# Altium PCB Waffling60-NMB.PcbDoc (part 1 of 3)
Units mm, origin at the board's own origin, x right, y up, seen from the top; angles counter-clockwise.
Board outline 284.7 x 94.21 mm, 2 copper layers (Component Side, Bottom Layer), stack 1.571 mm thick; 209 components, 132 nets, 867 pads, 230 vias.
Unrouted connection lines stored in the file: 4.
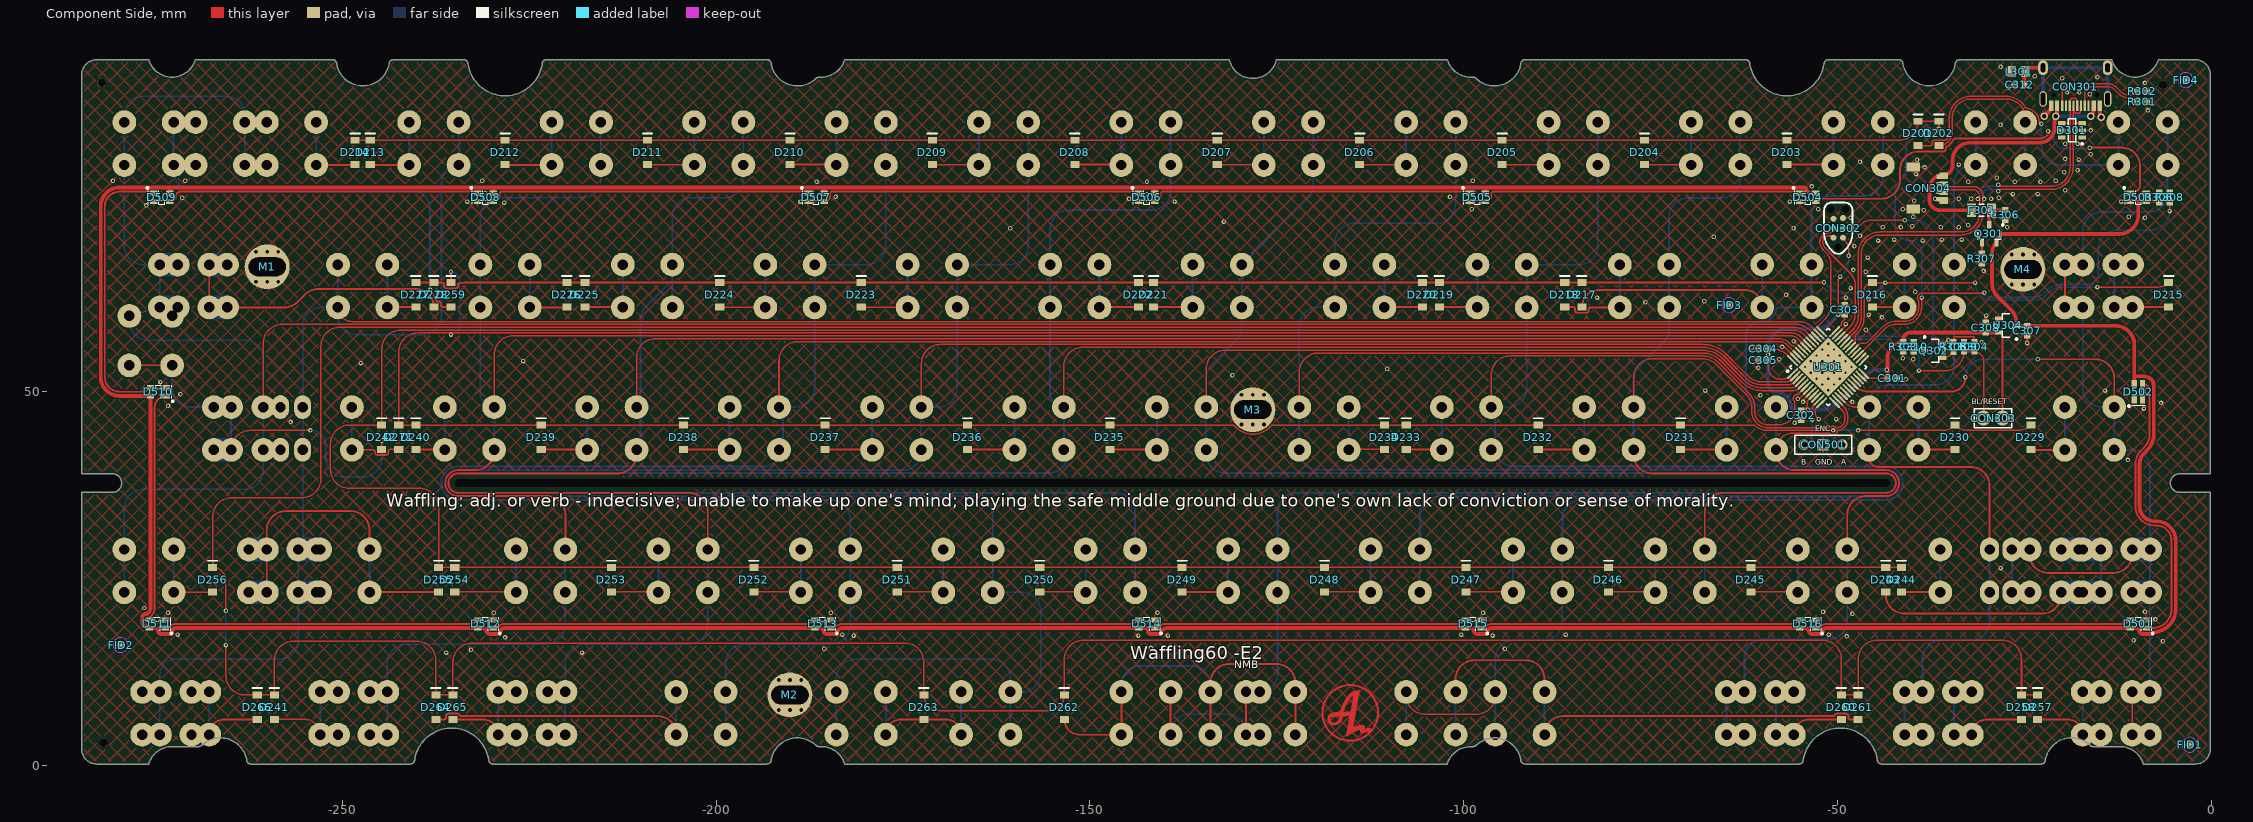
[diagram p0: Component Side view]
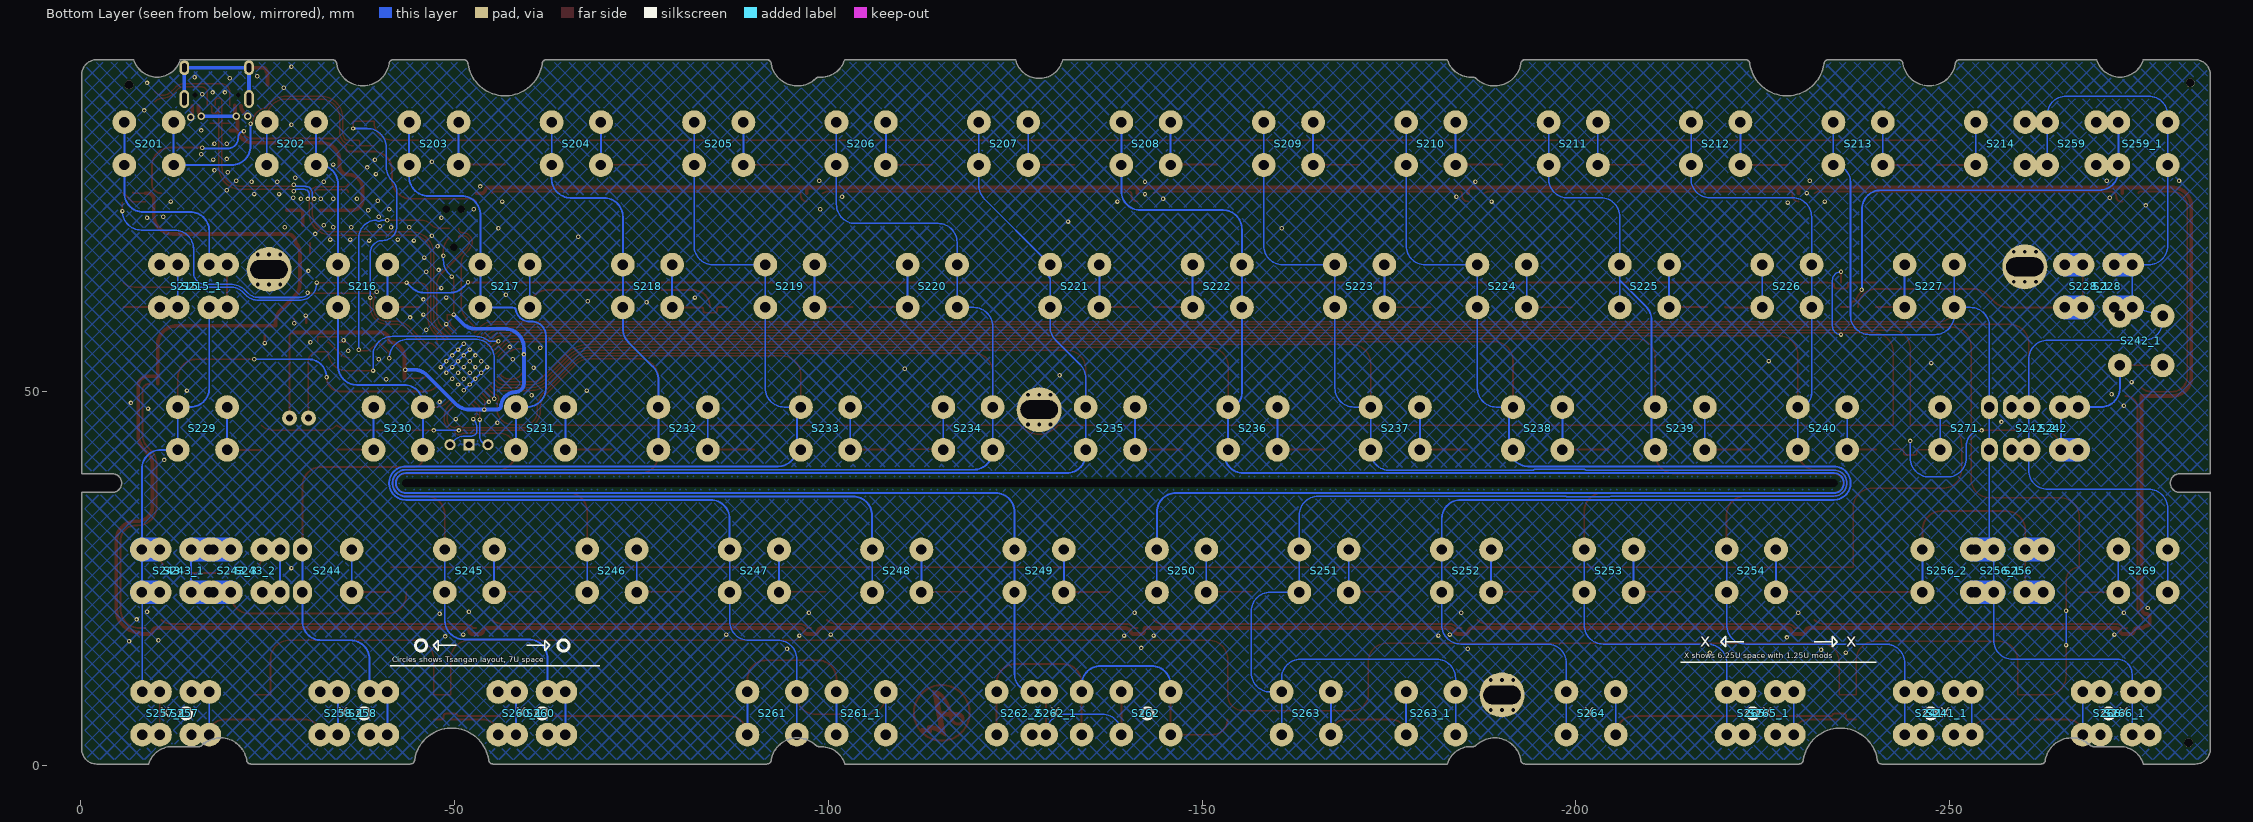
[diagram p1: Bottom Layer view, seen from below]

## Layer stack, top to bottom
Top Solder: solder mask 0.0102, Solder Resist, Dk 3.5
Component Side: signal copper 0.0356
Dielectric 1: core 1.5, FR-4, Dk 4.2
Bottom Layer: signal copper 0.0356
Solder Side: solder mask 0.0102, Solder Resist, Dk 3.5

## Board outline
-282.85,0.215 -275.891,0.215 cw(c-272.776,-0.709) -272.775,2.54 -269.318,2.54 ccw(c-269.319,3.455) -268.672,2.808 cw(c-266.3,0.158) -262.799,0.786 ccw(c-262.229,0.785) -262.228,0.215 -240.884,0.215 ccw(c-240.885,0.772) -240.328,0.771 cw(c-235.369,0.001) -230.41,0.771 ccw(c-229.853,0.772) -229.854,0.215 -193.196,0.215 ccw(c-193.195,0.785) -192.625,0.786 cw(c-189.125,0.16) -186.682,2.743 ccw(c-186.19,3.237) -186.193,2.54 -185.925,2.54 cw(c-185.924,-0.709) -182.809,0.215 -102.203,0.215 -102.203,0.204 cw(c-99.088,-0.72) -99.087,2.529 -98.833,2.529 ccw(c-98.832,3.253) -98.32,2.741 cw(c-95.875,0.159) -92.375,0.786 ccw(c-91.805,0.785) -91.804,0.215 -55.146,0.215 ccw(c-55.147,0.772) -54.59,0.771 cw(c-49.631,0.001) -44.672,0.771 ccw(c-44.115,0.772) -44.116,0.215 -22.772,0.215 ccw(c-22.771,0.785) -22.201,0.786 cw(c-18.701,0.16) -16.234,2.72 ccw(c-15.799,3.155) -15.8,2.54 -12.225,2.54 cw(c-12.224,-0.709) -9.109,0.215 -2.15,0.215 ccw(c-2.151,2.216) -0.15,2.215 -0.15,36.54 -4.241,36.54 cw(c-4.241,37.79) -4.241,39.04 -0.15,39.04 -0.15,92.415 ccw(c-2.151,92.414) -2.15,94.415 -7.109,94.415 cw(c-10.225,95.341) -13.341,94.415 -33.68,94.415 ccw(c-33.681,93.845) -34.251,93.844 cw(c-37.751,94.471) -41.251,93.844 ccw(c-41.821,93.845) -41.822,94.415 -51.245,94.415 ccw(c-51.246,93.845) -51.816,93.844 cw(c-56.775,94.614) -61.734,93.844 ccw(c-62.304,93.845) -62.305,94.415 -91.804,94.415 ccw(c-91.805,93.845) -92.375,93.844 cw(c-95.875,94.471) -98.285,91.856 ccw(c-98.85,91.29) -98.849,92.09 -99.075,92.09 cw(c-99.076,95.339) -102.191,94.415 -125.061,94.415 cw(c-128.211,95.149) -131.361,94.414 -131.361,94.415 -182.809,94.415 cw(c-185.924,95.339) -185.925,92.09 -186.179,92.09 ccw(c-186.18,91.366) -186.692,91.878 cw(c-189.125,94.471) -192.625,93.844 ccw(c-193.195,93.845) -193.196,94.415 -222.695,94.415 ccw(c-222.696,93.845) -223.266,93.844 cw(c-228.225,94.614) -233.184,93.844 ccw(c-233.754,93.845) -233.755,94.415 -243.178,94.415 ccw(c-243.179,93.845) -243.749,93.844 cw(c-247.249,94.471) -250.749,93.844 ccw(c-251.319,93.845) -251.32,94.415 -269.659,94.415 cw(c-272.775,95.341) -275.891,94.415 -282.85,94.415 ccw(c-282.849,92.414) -284.85,92.415 -284.85,39.04 -280.759,39.04 cw(c-280.759,37.79) -280.759,36.54 -284.85,36.54 -284.85,2.215 ccw(c-282.849,2.216)

## Design rules (kind name [scope] priority, off if disabled: settings)
BoardOutlineClearance [All] p1: gap=0.254 ignorepadtopadclearanceinfootprint=FALSE except(0: Arc-SplitContinuation Track-SplitContinuation SMDPad-SplitContinuation THPad-SplitContinuation Via-SplitContinuation Fill-SplitContinuation Poly-SplitContinuation Region-SplitContinuation Text-SplitContinuation)
Clearance [All] p1: gap=0.254 ignorepadtopadclearanceinfootprint=FALSE except(0: Arc-Hole Track-Hole SMDPad-Hole THPad-Hole Via-Hole Fill-Hole Poly-Hole Region-Hole Text-Hole; 0.18: Arc-Arc Arc-Track Arc-SMDPad Arc-THPad Arc-Via Arc-Fill Arc-Poly Arc-Region Arc-Text Track-Track Track-SMDPad Track-THPad Track-Via Track-Fill Track-Poly Track-Region Track-Text; 0.2: SMDPad-SMDPad SMDPad-THPad SMDPad-Via SMDPad-Fill SMDPad-Poly SMDPad-Region SMDPad-Text)
ComponentClearance [InComponent('No Component') And OnLayer('Component Side')] p1: gap=0.254 collisioncheckmode=3 verticalgap=0.254 showdistances=FALSE
DiffPairsRouting DiffPairsRouting_USB [InDifferentialPairClass('All Differential Pairs')] p1: maxlimit=0.254 minlimit=0.203 mostfreqgap=0.203 toplayer_minwidth=0.152 toplayer_maxwidth=0.381 toplayer_prefwidth=0.152 bottomlayer_minwidth=0.152 bottomlayer_maxwidth=0.381 bottomlayer_prefwidth=0.152 maxuncoupledlength=12.7
DiffPairsRouting [All] p2: maxlimit=0.254 minlimit=0.254 mostfreqgap=0.254 toplayer_minwidth=0.381 toplayer_maxwidth=0.381 toplayer_prefwidth=0.381 bottomlayer_minwidth=0.381 bottomlayer_maxwidth=0.381 bottomlayer_prefwidth=0.381 maxuncoupledlength=12.7
HoleSize [All] p1: absolutevalues=TRUE maxlimit=20 minlimit=0.025 maxpercent=80.000 minpercent=20.000
MatchedLengths MatchedLengths_USB_DiffPairs_1 [All] p1: tolerance=0.127 checknetsindiffpair=TRUE checkdiffpairvsdiffpair=FALSE checkxsignals=FALSE checkothers=FALSE
MatchedLengths MatchedLengths_USB_DiffPairs [All] p2: tolerance=0.127 checknetsindiffpair=TRUE checkdiffpairvsdiffpair=FALSE checkxsignals=FALSE checkothers=FALSE
PolygonConnect PolygonConnect_1 [All vs IsVia] p1: connectstyle=Direct reliefconductorwidth=0.254 reliefentries=4 polygonreliefangle="90 Angle" airgapwidth=0.254
PolygonConnect [All] p2: connectstyle=Relief reliefconductorwidth=0.254 reliefentries=4 polygonreliefangle="90 Angle" airgapwidth=0.254
RoutingVias [All] p1: holewidth=0.711 width=1.27 viastyle="Through Hole" minholewidth=0.711 minwidth=1.27 maxholewidth=0.711 maxwidth=1.27
SolderMaskExpansion [All] p1: expansion=0.102 istentingtop=FALSE
Width [All] p1: maxlimit=3.18 minlimit=0.2 preferedwidth=0.254 minimp=50.000000 maximp=50.000000 favimp=50.000000
27 further rules are at their usual default settings.

## Classes and differential pairs
component class U_4_waffling60-MX_periferals: CON501 D501 D502 D503 D504 D505 D506 D507 D508 D509 D510 D511 D512 D513 D514 D515 D516
component class Designator: C301 C302 C303 C304 C305 C306 C307 C308 C309 C310 C312 CON301 CON302 CON303 CON304 D301 F301 L301 M1 M2 M3 M4 Q301 Q302 R301 R302 R303 R304 R305 R306 R307 R308 U301 U304
component class 1_waffling60-NMB_top: FID1 FID2 FID3 FID4
differential pair D: +D_P -D_N

## Components (designator, comment, footprint, x,y, rotation, side; value= is the part's Value field where it differs from the comment)
C301 "" C0603[1608] -42.672,51.816 r180 top value=0.1uF
C302 "" C0603[1608] -54.864,46.863 r90 top value=0.1uF
C303 "" C0603[1608] -49.022,60.96 r270 top value=0.1uF
C304 "" C0603[1608] -59.944,55.753 r0 top value=0.1uF
C305 "" C0603[1608] -59.944,54.229 r0 top value=0.1uF
C306 "" C0603[1608] -27.559,73.66 r90 top value=4.7uF
C307 "" C0603[1608] -24.638,58.166 r90 top value=1uF
C308 "" C0603[1608] -30.169,58.589 r270 top value=1uF
C309 "" C0603[1608] -33.09,56.007 r90 top value=4.7uF
C310 "" C0603[1608] -39.821,56.007 r270 top value=470nF
C312 "" C0603[1608] -25.654,91.059 r0 top value=0.1uF
CON301 "TYPE-C-31-M-12" TYPE-C-31-M-12 -18.2,88.25 r180 top locked
CON302 "TC2030-IDC" TC2030-IDC-NL -49.911,71.882 r90 top
CON303 "Header 2" HDR1X2 -30.48,46.482 r0 top
CON304 "Header 5" UDB_combo_JST_MOLEX -38,77.25 r270 top
CON501 "Header 3" HDR1X3 -54.483,42.926 r0 top
D201 "Diode" SOD-123 -39.243,84.558 r270 top
D202 "Diode" SOD-123 -36.449,84.558 r270 top
D203 "Diode" SOD-123 -56.769,82.018 r270 top
D204 "Diode" SOD-123 -75.819,82.018 r270 top
D205 "Diode" SOD-123 -94.869,82.018 r270 top
D206 "Diode" SOD-123 -113.919,82.018 r270 top
D207 "Diode" SOD-123 -132.969,82.018 r270 top
D208 "Diode" SOD-123 -152.019,82.018 r270 top
D209 "Diode" SOD-123 -171.069,82.018 r270 top
D210 "Diode" SOD-123 -190.119,82.018 r270 top
D211 "Diode" SOD-123 -209.169,82.018 r270 top
D212 "Diode" SOD-123 -228.219,82.018 r270 top
D213 "Diode" SOD-123 -246.253,82.018 r270 top
D214 "Diode" SOD-123 -248.285,82.018 r270 top
D215 "Diode" SOD-123 -5.715,62.968 r270 top
D216 "Diode" SOD-123 -45.339,62.968 r270 top
D217 "Diode" SOD-123 -84.201,62.968 r270 top
D218 "Diode" SOD-123 -86.487,62.968 r270 top
D219 "Diode" SOD-123 -103.251,62.968 r270 top
D220 "Diode" SOD-123 -105.537,62.968 r270 top
D221 "Diode" SOD-123 -141.478,62.968 r270 top
D222 "Diode" SOD-123 -143.51,62.968 r270 top
D223 "Diode" SOD-123 -180.594,62.968 r270 top
D224 "Diode" SOD-123 -199.517,62.968 r270 top
D225 "Diode" SOD-123 -217.551,62.968 r270 top
D226 "Diode" SOD-123 -219.964,62.968 r270 top
D227 "Diode" SOD-123 -240.157,62.968 r270 top
D228 "Diode" SOD-123 -237.744,62.968 r270 top
D229 "Diode" SOD-123 -24.13,43.918 r270 top
D230 "Diode" SOD-123 -34.29,43.918 r270 top
D231 "Diode" SOD-123 -70.993,43.918 r270 top
D232 "Diode" SOD-123 -90.043,43.918 r270 top
D233 "Diode" SOD-123 -107.696,43.918 r270 top
D234 "Diode" SOD-123 -110.617,43.918 r270 top
D235 "Diode" SOD-123 -147.32,43.918 r270 top
D236 "Diode" SOD-123 -166.37,43.918 r270 top
D237 "Diode" SOD-123 -185.42,43.918 r270 top
D238 "Diode" SOD-123 -204.343,43.918 r270 top
D239 "Diode" SOD-123 -223.393,43.918 r270 top
D240 "Diode" SOD-123 -240.157,43.918 r270 top
D241 "Diode" SOD-123 -259.08,7.818 r270 top
D242 "Diode" SOD-123 -244.729,43.918 r270 top
D243 "Diode" SOD-123 -43.561,24.868 r270 top
D244 "Diode" SOD-123 -41.468,24.868 r270 top
D245 "Diode" SOD-123 -61.595,24.868 r270 top
D246 "Diode" SOD-123 -80.645,24.868 r270 top
D247 "Diode" SOD-123 -99.695,24.868 r270 top
D248 "Diode" SOD-123 -118.618,24.868 r270 top
D249 "Diode" SOD-123 -137.668,24.868 r270 top
D250 "Diode" SOD-123 -156.718,24.868 r270 top
D251 "Diode" SOD-123 -175.768,24.868 r270 top
D252 "Diode" SOD-123 -194.945,24.868 r270 top
D253 "Diode" SOD-123 -213.995,24.868 r270 top
D254 "Diode" SOD-123 -234.95,24.868 r270 top
D255 "Diode" SOD-123 -237.109,24.868 r270 top
D256 "Diode" SOD-123 -267.335,24.868 r270 top
D257 "Diode" SOD-123 -23.241,7.818 r270 top
D258 "Diode" SOD-123 -25.4,7.818 r270 top
D259 "Diode" SOD-123 -235.458,62.968 r270 top
D260 "Diode" SOD-123 -49.482,7.818 r270 top
D261 "Diode" SOD-123 -47.244,7.818 r270 top
D262 "Diode" SOD-123 -153.416,7.818 r270 top
D263 "Diode" SOD-123 -172.212,7.818 r270 top
D264 "Diode" SOD-123 -237.49,7.818 r270 top
D265 "Diode" SOD-123 -235.204,7.818 r270 top
D266 "Diode" SOD-123 -261.366,7.818 r270 top
D271 "Diode" SOD-123 -242.443,43.918 r270 top
D301 "SRV05" SOT-23-6 -18.669,84.963 r0 top
D501 "WS2812B - MINI" "WS2812B - 2020" -9.758,18.944 r180 top
D502 "WS2812B - MINI" "WS2812B - 2020" -9.758,50 r90 top
D503 "WS2812B - MINI" "WS2812B - 2020" -9.758,76 r0 top
D504 "WS2812B - MINI" "WS2812B - 2020" -53.975,76 r0 top
D505 "WS2812B - MINI" "WS2812B - 2020" -98.191,76 r0 top
D506 "WS2812B - MINI" "WS2812B - 2020" -142.408,76 r0 top
D507 "WS2812B - MINI" "WS2812B - 2020" -186.625,76 r0 top
D508 "WS2812B - MINI" "WS2812B - 2020" -230.841,76 r0 top
D509 "WS2812B - MINI" "WS2812B - 2020" -274.158,76 r0 top
D510 "WS2812B - MINI" "WS2812B - 2020" -274.586,50 r180 top
D511 "WS2812B - MINI" "WS2812B - 2020" -274.758,18.944 r180 top
D512 "WS2812B - MINI" "WS2812B - 2020" -230.841,18.944 r180 top
D513 "WS2812B - MINI" "WS2812B - 2020" -185.758,18.944 r180 top
D514 "WS2812B - MINI" "WS2812B - 2020" -142.408,18.944 r180 top
D515 "WS2812B - MINI" "WS2812B - 2020" -98.758,18.944 r180 top
D516 "WS2812B - MINI" "WS2812B - 2020" -53.975,18.944 r180 top
F301 "Fuse Thermal" C1206[3216] -30.734,74.295 r180 top
FID1 "Plug" Fiducial_Nordic -2.921,2.794 r90 top
FID2 "Plug" Fiducial_Nordic -279.654,16.129 r90 top
FID3 "Plug" Fiducial_Nordic -64.516,61.595 r90 top
FID4 "Plug" Fiducial_Nordic -3.429,91.694 r90 top
L301 "Inductor" L0805 -25.781,92.837 r0 top
M1 "Socket" mounting_hole -260.05,66.715 r0 top
M2 "Socket" mounting_hole -190.119,9.45 r0 top
M3 "Socket" mounting_hole -128.212,47.614 r0 top
M4 "Socket" mounting_hole -25.2,66.365 r0 top
Q301 "PMOS-2" SOT-23-3 -29.718,71.12 r270 top
Q302 "2N7002 NMOS" SOT-23-3 -37.154,55.499 r0 top
R301 "Res1" R0603[1608] -9.271,88.773 r0 top value=5k1
R302 "Res1" R0603[1608] -9.271,90.17 r0 top value=5k1
R303 "Res1" R0603[1608] -41.218,56.007 r270 top value=10K
R304 "Res1" R0603[1608] -31.693,56.007 r90 top value=10K
R305 "Res1" R0603[1608] -34.487,55.992 r90 top value=100K
R306 "Res1" R0603[1608] -6.985,76 r270 top value=10K
R307 "Res1" R0603[1608] -30.734,67.818 r270 top value=10K
R308 "Res1" R0603[1608] -5.588,76 r270 top value=470
S201 "NMB" "NMB-Switch 1U - switched pol  - no allignment pins"#1 -9.15,85.415 r180 bottom locked
S202 "NMB" "NMB-Switch 1U - no allignment pins"#1 -28.2,85.415 r180 bottom locked
S203 "NMB" "NMB-Switch 1U - switched pol  - no allignment pins"#1 -47.25,85.415 r180 bottom locked
S204 "NMB" "NMB-Switch 1U - switched pol  - no allignment pins"#1 -66.3,85.415 r180 bottom locked
S205 "NMB" "NMB-Switch 1U - switched pol  - no allignment pins"#1 -85.35,85.415 r180 bottom locked
S206 "NMB" "NMB-Switch 1U - switched pol  - no allignment pins"#1 -104.4,85.415 r180 bottom locked
S207 "NMB" "NMB-Switch 1U - switched pol  - no allignment pins"#1 -123.45,85.415 r180 bottom locked
S208 "NMB" "NMB-Switch 1U - switched pol  - no allignment pins"#1 -142.5,85.415 r180 bottom locked
S209 "NMB" "NMB-Switch 1U - switched pol  - no allignment pins"#1 -161.55,85.415 r180 bottom locked
S210 "NMB" "NMB-Switch 1U - switched pol  - no allignment pins"#1 -180.6,85.415 r180 bottom locked
S211 "NMB" "NMB-Switch 1U - switched pol  - no allignment pins"#1 -199.65,85.415 r180 bottom locked
S212 "NMB" "NMB-Switch 1U - switched pol  - no allignment pins"#1 -218.7,85.415 r180 bottom locked
S213 "NMB" "NMB-Switch 1U - switched pol  - no allignment pins"#1 -237.75,85.415 r180 bottom locked
S214 "NMB" "NMB-Switch 1U - no allignment pins"#1 -256.8,85.415 r180 bottom locked
S215 "NMB" "NMB-Switch 1U - no allignment pins"#1 -13.912,66.365 r180 bottom locked
S215_1 "NMB" "NMB-Switch 1U - no allignment pins"#1 -16.294,66.365 r180 bottom locked
S216 "NMB" "NMB-Switch 1U - switched pol  - no allignment pins"#1 -37.725,66.365 r180 bottom locked
S217 "NMB" "NMB-Switch 1U - switched pol  - no allignment pins"#1 -56.775,66.365 r180 bottom locked
S218 "NMB" "NMB-Switch 1U - switched pol  - no allignment pins"#1 -75.825,66.365 r180 bottom locked
S219 "NMB" "NMB-Switch 1U - switched pol  - no allignment pins"#1 -94.875,66.365 r180 bottom locked
S220 "NMB" "NMB-Switch 1U - no allignment pins"#1 -113.925,66.365 r180 bottom locked
S221 "NMB" "NMB-Switch 1U - switched pol  - no allignment pins"#1 -132.975,66.365 r180 bottom locked
S222 "NMB" "NMB-Switch 1U - no allignment pins"#1 -152.025,66.365 r180 bottom locked
S223 "NMB" "NMB-Switch 1U - switched pol  - no allignment pins"#1 -171.075,66.365 r180 bottom locked
S224 "NMB" "NMB-Switch 1U - switched pol  - no allignment pins"#1 -190.125,66.365 r180 bottom locked
S225 "NMB" "NMB-Switch 1U - switched pol  - no allignment pins"#1 -209.175,66.365 r180 bottom locked
S226 "NMB" "NMB-Switch 1U - no allignment pins"#1 -228.225,66.365 r180 bottom locked
S227 "NMB" "NMB-Switch 1U - no allignment pins"#1 -247.275,66.365 r180 bottom locked
S228 "NMB" "NMB-Switch 1U - no allignment pins"#2 -271.087,66.365 r180 bottom locked
S228_1 "NMB" "NMB-Switch 1U - no allignment pins"#2 -268.706,66.365 r180 bottom locked
S229 "NMB" "NMB-Switch 1U - no allignment pins"#1 -16.294,47.315 r180 bottom locked
S230 "NMB" "NMB-Switch 1U - no allignment pins"#1 -42.487,47.315 r180 bottom locked
S231 "NMB" "NMB-Switch 1U - switched pol  - no allignment pins"#1 -61.537,47.315 r180 bottom locked
S232 "NMB" "NMB-Switch 1U - switched pol  - no allignment pins"#1 -80.587,47.315 r180 bottom locked
S233 "NMB" "NMB-Switch 1U - switched pol  - no allignment pins"#1 -99.637,47.315 r180 bottom locked
S234 "NMB" "NMB-Switch 1U - no allignment pins"#1 -118.687,47.315 r180 bottom locked
S235 "NMB" "NMB-Switch 1U - switched pol  - no allignment pins"#1 -137.737,47.315 r180 bottom locked
S236 "NMB" "NMB-Switch 1U - switched pol  - no allignment pins"#1 -156.787,47.315 r180 bottom locked
S237 "NMB" "NMB-Switch 1U - switched pol  - no allignment pins"#1 -175.837,47.315 r180 bottom locked
S238 "NMB" "NMB-Switch 1U - switched pol  - no allignment pins"#1 -194.887,47.315 r180 bottom locked
S239 "NMB" "NMB-Switch 1U - switched pol  - no allignment pins"#1 -213.937,47.315 r180 bottom locked
S240 "NMB" "NMB-Switch 1U - switched pol  - no allignment pins"#1 -232.987,47.315 r180 bottom locked
S241 "NMB" "NMB-Switch 1U - no allignment pins"#1 -247.274,9.215 r180 bottom locked
S241_1 "NMB" "NMB-Switch 1U - no allignment pins"#1 -249.656,9.215 r180 bottom locked
S242 "NMB" "NMB-Switch 1U - switched pol  - no allignment pins"#2 -263.861,47.315 r180 bottom locked
S242_1 "NMB" "NMB-Switch 1U - no allignment pins"#1 -273.391,56.845 r90 bottom locked
S242_2 "NMB" "NMB-Switch 1U - switched pol  - no allignment pins"#3 -261.562,47.319 r180 bottom locked
S243 "NMB" "NMB-Switch 1U - switched pol  - no allignment pins"#2 -11.491,28.265 r180 bottom locked
S243_1 "NMB" "NMB-Switch 1U - switched pol  - no allignment pins"#1 -13.872,28.265 r180 bottom locked
S243_2 "NMB" "NMB-Switch 1U - no allignment pins"#3 -23.394,28.265 r180 bottom locked
S243_3 "NMB" "NMB-Switch 1U - no allignment pins"#2 -21.015,28.265 r180 bottom locked
S244 "NMB" "NMB-Switch 1U - no allignment pins"#4 -32.962,28.265 r180 bottom locked
S245 "NMB" "NMB-Switch 1U - switched pol  - no allignment pins"#1 -52.012,28.265 r180 bottom locked
S246 "NMB" "NMB-Switch 1U - switched pol  - no allignment pins"#1 -71.062,28.265 r180 bottom locked
S247 "NMB" "NMB-Switch 1U - switched pol  - no allignment pins"#1 -90.112,28.265 r180 bottom locked
S248 "NMB" "NMB-Switch 1U - switched pol  - no allignment pins"#1 -109.162,28.265 r180 bottom locked
S249 "NMB" "NMB-Switch 1U - switched pol  - no allignment pins"#1 -128.212,28.265 r180 bottom locked
S250 "NMB" "NMB-Switch 1U - switched pol  - no allignment pins"#1 -147.262,28.265 r180 bottom locked
S251 "NMB" "NMB-Switch 1U - switched pol  - no allignment pins"#1 -166.312,28.265 r180 bottom locked
S252 "NMB" "NMB-Switch 1U - switched pol  - no allignment pins"#1 -185.362,28.265 r180 bottom locked
S253 "NMB" "NMB-Switch 1U - switched pol  - no allignment pins"#1 -204.412,28.265 r180 bottom locked
S254 "NMB" "NMB-Switch 1U - switched pol  - no allignment pins"#1 -223.462,28.265 r180 bottom locked
S256 "NMB" "NMB-Switch 1U - switched pol  - no allignment pins"#2 -259.181,28.265 r180 bottom locked
S256_1 "NMB" "NMB-Switch 1U - switched pol  - no allignment pins"#1 -256.8,28.265 r180 bottom locked
S256_2 "NMB" "NMB-Switch 1U - no allignment pins"#2 -249.656,28.265 r180 bottom locked
S257 "NMB" "NMB-Switch 1U - no allignment pins"#1 -13.912,9.215 r180 bottom locked
S257_1 "NMB" "NMB-Switch 1U - no allignment pins"#1 -11.531,9.215 r180 bottom locked
S258 "NMB" "NMB-Switch 1U - no allignment pins"#1 -37.724,9.215 r180 bottom locked
S258_1 "NMB" "NMB-Switch 1U - switched pol  - no allignment pins"#1 -35.343,9.215 r180 bottom locked
S259 "NMB" "NMB-Switch 1U - no allignment pins"#1 -266.325,85.415 r180 bottom locked
S259_1 "NMB" "NMB-Switch 1U - no allignment pins"#1 -275.85,85.415 r180 bottom locked
S260 "NMB" "NMB-Switch 1U - no allignment pins"#1 -61.537,9.215 r180 bottom locked
S260_1 "NMB" "NMB-Switch 1U - switched pol  - no allignment pins"#1 -59.156,9.215 r180 bottom locked
S261 "NMB" "NMB-Switch 1U - no allignment pins"#1 -92.493,9.215 r180 bottom locked
S261_1 "NMB" "NMB-Switch 1U - no allignment pins"#1 -104.399,9.215 r180 bottom locked
S262 "NMB" "NMB-Switch 1U - no allignment pins"#1 -142.499,9.215 r180 bottom locked
S262_1 "NMB" "NMB-Switch 1U - no allignment pins"#1 -130.593,9.215 r180 bottom locked
S262_2 "NMB" "NMB-Switch 1U - switched pol  - no allignment pins"#1 -125.823,9.215 r180 bottom locked
S263 "NMB" "NMB-Switch 1U - no allignment pins"#1 -163.931,9.215 r180 bottom locked
S263_1 "NMB" "NMB-Switch 1U - switched pol  - no allignment pins"#1 -180.599,9.215 r180 bottom locked
S264 "NMB" "NMB-Switch 1U - switched pol  - no allignment pins"#1 -202.031,9.215 r180 bottom locked
S265 "NMB" "NMB-Switch 1U - no allignment pins"#1 -223.462,9.215 r180 bottom locked
S265_1 "NMB" "NMB-Switch 1U - no allignment pins"#1 -225.843,9.215 r180 bottom locked
S266 "NMB" "NMB-Switch 1U - no allignment pins"#1 -271.087,9.215 r180 bottom locked
S266_1 "NMB" "NMB-Switch 1U - no allignment pins"#1 -273.468,9.215 r180 bottom locked
S269 "NMB" "NMB-Switch 1U - no allignment pins"#1 -275.85,28.265 r180 bottom locked
S271 "NMB" "NMB-Switch 1U - no allignment pins"#5 -252.012,47.315 r180 bottom locked
U301 "STM32F072/F303_LQFP48" "STM32 - COMBO 7X7MM" -51.26,53.309 r315 top
U304 "XC6206P332MR" SOT-23-3 -27.263,58.871 r180 top

## Footprints (in the part's own frame and the unit in brackets; to place one, negate y for a bottom-side part, rotate by r counter-clockwise, add the part's x,y. Pads: shape width x height; smd on the part's side, far side on the other; paste and mask are expansions set on the pad)
C0603[1608] [mm] "Chip Resistor, 2-Leads, Body 1,57x0,80mm, IPC Medium Density"
  rect 0.8x0.85 smd: 1(-0.65,0) 2(0.65,0)
  body extent -0.83,-0.43 0.82,0.43, height 0.5
C1206[3216] [mm]
  rect 1.2x1.8 smd: 1(-1.35,0) 2(1.35,0)
  silkscreen extent -0.35,-0.8 0.35,0.8, body extent -1.6,-0.9 1.6,0.9, height 1.2
Fiducial_Nordic [mm]
  round 1 smd paste+0 mask+0.5: 0(0,0)
  Component Side keep-out circle w0.01: c0,0 r1
HDR1X2 [mm] "Connector; Header; 2 Position"
  round 2 hole 0.9 mask+0.102: 1(0,0) 2(2.54,0)
  silkscreen extent -1.27,-1.27 3.81,1.27
HDR1X3 [mm] "Connector; Header; 3 Position"
  round 1.5 hole 0.9 mask+0.102: 1(0,0) 3(5.08,0)
  rect 1.5x1.5 hole 0.9 mask+0.102: 2(2.54,0)
  silkscreen extent -1.27,-1.27 6.35,1.27
L0805 [mm] "based on Sunlord-GZ2012D101TF_C1015 datasheet"
  rect 1.16x1.47 smd: 1(-0.92,0) 2(0.92,0)
  body extent -1.15,-0.72 1.15,0.72, height 1.02
mounting_hole [mm]
  round 1 hole 0.5 paste+0 mask+0: 1(-1.5,-2) 1(-1.5,2) 1(0,-2) 1(0,2) 1(1.5,-2) 1(1.5,2)
  round 6 hole 2.5 slot 5 at 0 deg mask+0: 1(0,0)
"NMB-Switch 1U - no allignment pins"#1 [mm]
  round 3.18 hole 1.4 mask+0.102: 1(-3.3,-5.08) 1(-3.3,0.64) 2(3.3,-5.08) 2(3.3,0.64)
  round 1 on Mech14: ""(0,0)
"NMB-Switch 1U - no allignment pins"#2 [mm]
  round 3.18 hole 1.4 mask+0.102: 1(-3.3,-5.08) 1(-3.3,0.64) 2(3.3,-5.08) 2(3.3,0.64)
  round 1 on Mech14 mask+0.102: ""(0,0)
"NMB-Switch 1U - no allignment pins"#3 [mm]
  round 3.18 hole 1.4 mask+0.102: 1(-3.3,-5.08) 1(-3.3,0.64)
  oval 2.54x3.18 hole 1.4 mask+0.102: 2(3.3,-5.08) 2(3.3,0.64)
  round 1 on Mech14 mask+0.102: ""(0,0)
"NMB-Switch 1U - no allignment pins"#4 [mm]
  oval 2.54x3.18 hole 1.4 mask+0.102: 1(-3.3,-5.08) 1(-3.3,0.64)
  round 3.18 hole 1.4 mask+0.102: 2(3.3,-5.08) 2(3.3,0.64)
  round 1 on Mech14: ""(0,0)
"NMB-Switch 1U - no allignment pins"#5 [mm]
  round 3.18 hole 1.4 mask+0.102: 1(-3.3,-5.08) 1(-3.3,0.64)
  oval 2.254x3.18 hole 1.4 mask+0.102: 2(3.3,-5.08) 2(3.3,0.64)
  round 1 on Mech14: ""(0,0)
"NMB-Switch 1U - switched pol  - no allignment pins"#1 [mm]
  round 3.18 hole 1.4 mask+0.102: 1(3.3,-5.08) 1(3.3,0.64) 2(-3.3,-5.08) 2(-3.3,0.64)
  round 1 on Mech14: ""(0,0)
"NMB-Switch 1U - switched pol  - no allignment pins"#2 [mm]
  round 3.18 hole 1.4 mask+0.102: 1(3.3,-5.08) 1(3.3,0.64) 2(-3.3,-5.08) 2(-3.3,0.64)
  round 1 on Mech14 mask+0.102: ""(0,0)
"NMB-Switch 1U - switched pol  - no allignment pins"#3 [mm]
  round 3.18 hole 1.4 mask+0.102: 1(3.3,-5.08) 1(3.3,0.64)
  oval 2.254x3.18 hole 1.4 mask+0.102: 2(-3.3,-5.08) 2(-3.3,0.64)
  round 1 on Mech14: ""(0,0)
R0603[1608] [mm] "Chip Resistor, 2-Leads, Body 1,57x0,80mm, IPC Medium Density"
  rect 0.8x0.85 smd: 1(-0.65,0) 2(0.65,0)
  body extent -0.83,-0.43 0.82,0.43, height 0.5
SOD-123 [mm]
  rect 0.91x1.22 smd: 1(1.635,0) 2(-1.635,0)
  silkscreen extent -2.54,-0.64 -2.54,0.63, body extent -1.87,-0.85 1.88,0.85, height 1.2
SOT-23-3 [mm] "3.3v regulator, used in Windsond S2 proto 1"
  rect 1x0.55 smd: 1(1.2,-0.95) 2(1.2,0.95) 3(-1.2,0)
  silkscreen extent -1.32,-1.55 0.7,1.95, body extent -1.1,-1.5 1.45,1.5, height 1
SOT-23-6 [mm]
  rect 1x0.55 smd: 1(1.375,-0.95) 2(1.375,0) 3(1.375,0.95) 4(-1.375,0.95) 5(-1.375,0) 6(-1.375,-0.95)
  silkscreen extent -0.46,-1.92 1.5,1.55, body extent -1.47,-1.49 1.37,1.44, height 1.05
"STM32 - COMBO 7X7MM" [mm] "LQFP48, 7x7mm"
  oval 0.3x1.45 smd paste-5: 1(-2.75,-4.225) 2(-2.25,-4.225) 3(-1.75,-4.225) 4(-1.25,-4.225) 5(-0.75,-4.225) 6(-0.25,-4.225) 7(0.25,-4.225) 8(0.75,-4.225) 9(1.25,-4.225) 10(1.75,-4.225) 11(2.25,-4.225) 12(2.75,-4.225) 25(2.75,4.225) 26(2.25,4.225) 27(1.75,4.225) 28(1.25,4.225) 29(0.75,4.225) 30(0.25,4.225) 31(-0.25,4.225) 32(-0.75,4.225) 33(-1.25,4.225) 34(-1.75,4.225) 35(-2.25,4.225) 36(-2.75,4.225)
  oval 0.25x0.8 smd: 1(-2.75,-3.4) 2(-2.25,-3.4) 3(-1.75,-3.4) 4(-1.25,-3.4) 5(-0.75,-3.4) 6(-0.25,-3.4) 7(0.25,-3.4) 8(0.75,-3.4) 9(1.25,-3.4) 10(1.75,-3.4) 11(2.25,-3.4) 12(2.75,-3.4) 25(2.75,3.4) 26(2.25,3.4) 27(1.75,3.4) 28(1.25,3.4) 29(0.75,3.4) 30(0.25,3.4) 31(-0.25,3.4) 32(-0.75,3.4) 33(-1.25,3.4) 34(-1.75,3.4) 35(-2.25,3.4) 36(-2.75,3.4)
  oval 0.8x0.25 smd: 13(3.4,-2.75) 14(3.4,-2.25) 15(3.4,-1.75) 16(3.4,-1.25) 17(3.4,-0.75) 18(3.4,-0.25) 19(3.4,0.25) 20(3.4,0.75) 21(3.4,1.25) 22(3.4,1.75) 23(3.4,2.25) 24(3.4,2.75) 37(-3.4,2.75) 38(-3.4,2.25) 39(-3.4,1.75) 40(-3.4,1.25) 41(-3.4,0.75) 42(-3.4,0.25) 43(-3.4,-0.25) 44(-3.4,-0.75) 45(-3.4,-1.25) 46(-3.4,-1.75) 47(-3.4,-2.25) 48(-3.4,-2.75)
  oval 1.45x0.3 smd paste-5: 13(4.225,-2.75) 14(4.225,-2.25) 15(4.225,-1.75) 16(4.225,-1.25) 17(4.225,-0.75) 18(4.225,-0.25) 19(4.225,0.25) 20(4.225,0.75) 21(4.225,1.25) 22(4.225,1.75) 23(4.225,2.25) 24(4.225,2.75) 37(-4.225,2.75) 38(-4.225,2.25) 39(-4.225,1.75) 40(-4.225,1.25) 41(-4.225,0.75) 42(-4.225,0.25) 43(-4.225,-0.25) 44(-4.225,-0.75) 45(-4.225,-1.25) 46(-4.225,-1.75) 47(-4.225,-2.25) 48(-4.225,-2.75)
  rect 5.6x5.6 smd: 47(0,0)
  silkscreen extent -3.65,-4.35 3.65,3.65, body extent -3.52,-3.52 3.52,3.52, height 0.5
TC2030-IDC-NL [mm] "Tag-Connect 6-Pin with No Legs (PN# TC2030-IDC-NL)"
  round 0.9 hole 0.995 unplated: 0(-2.54,0) 0(2.54,-1.016) 0(2.54,1.016)
  round 0.79 smd paste-0.39: 1(-1.27,-0.635) 2(-1.27,0.635) 3(0,-0.635) 4(0,0.635) 5(1.35,-0.635) 6(1.27,0.635)
  silkscreen extent -3.43,-1.91 3.43,1.9
TYPE-C-31-M-12 [mm]
  rect 0.6x1.45 smd: A1B12(-3.25,0) A4B9(-2.45,0) B1A12(3.25,0) B4A9(2.45,0)
  rect 0.3x1.45 smd: A5(-1.25,0) A6(-0.25,0) A7(0.25,0) A8(1.25,0) B5(1.75,0) B6(0.75,0) B7(-0.75,0) B8(-1.75,0)
  oval 1x2.1 / inner oval 1.3x2.4 / far side oval 1.3x2.4 hole 0.6 slot 1.7 at 90 deg: S1(-4.32,-0.915) S1(4.32,-0.915)
  oval 1.3x2 hole 0.6 slot 1.2 at 90 deg: S1(-4.32,-5.095) S1(4.32,-5.095)
  round 0 hole 0.65 unplated: ""(-2.89,-1.445) ""(2.89,-1.445)
  body extent -4.47,-7.72 4.47,0.18, height 3.21
UDB_combo_JST_MOLEX [mm]
  rect 0.6x1.2 smd: 1(-1.8,2.2) 2(-0.6,2.2) 3(0.6,2.2) 4(1.8,2.2)
  rect 0.6x1.55 smd: 1(-1.5,2.021) 2(-0.5,2.021) 3(0.5,2.021) 4(1.5,2.021)
  rect 0.85x1 smd: 5(-2.94,-1.887) 5(2.94,-1.887)
  rect 1.2x1.8 smd: 5(-2.8,-1.854) 5(2.8,-1.854)
  body extent -3.01,-2.62 2.99,2.33, height 2.96
"WS2812B - 2020" [mm]
  rect 1x0.7 smd: 1(1.065,0.55) 2(-1.065,0.55) 3(-1.065,-0.55) 4(1.065,-0.55)
  silkscreen extent -2.03,-0.89 0.38,1.39, body extent -1.1,-1 1.1,1, height 0.86

## Part data
C301 C302 C303 C304 C305 C312: library part Cap, "Capacitor", LCSC MFG=YAGEO, LCSC Part #=C14663, MRF.Part=CC0603KRX7R9BB104, Version="0603 imperial"
C306 C309: library part Cap, "Capacitor", LCSC MFG="Samsung Electro-Mechanics", LCSC Part #=C19666, MRF.Part=CL10A475KO8NNNC, Version="0603 imperial"
C307 C308: library part Cap, "Capacitor", LCSC MFG="Samsung Electro-Mechanics", LCSC Part #=C15849, MRF.Part=CL10A105KB8NNNC, Version="0603 imperial"
C310: library part Cap, "Capacitor", LCSC MFG="Samsung Electro-Mechanics", LCSC Part #=C1623, MRF.Part=CL10B474KA8NNNC, Version="0603 imperial"
CON301: LCSC MFG="Korean Hroparts Elec", LCSC Part #=C165948, MRF.Part=TYPE-C-31-M-12
CON302: library part "Header 3X2", "Header, 3-Pin, Dual row"
CON303: "Header, 2-Pin"
CON304: "JST for USB daughter board", LCSC MFG="BOOMELE(Boom Precision Elec)", LCSC Part #=C145956, MRF.Part=C145956
CON501: "Header, 3-Pin"
D201 D202 D203 D204 D205 D206 D207 D208 D209 D210 D211 D212 D213 D214 D215 D216 D217 D218 D219 D220 D221 D222 D223 D224 D225 D226 D227 D228 D229 D230 D231 D232 D233 D234 D235 D236 D237 D238 D239 D240 D241 D242 D243 D244 D245 D246 D247 D248 D249 D250 D251 D252 D253 D254 D255 D256 D257 D258 D259 D260 D261 D262 D263 D264 D265 D266 D271: "Default Diode", LCSC MFG=ST(Semtech), LCSC Part #=C81598, MRF.Part=1N4148W, Version=SOD-123
D301: LCSC MFG="ProTek Devices", LCSC Part #=C85364, MRF.Part=SRV05-4-P-T7
D501 D502 D503 D504 D505 D506 D507 D508 D509 D510 D511 D512 D513 D514 D515 D516: library part WS2812B, LCSC MFG=Worldsemi, LCSC Part #=C965555, MRF.Part=WS2812B-2020
F301: "Thermal Fuse", LCSC MFG="Shenzhen JDT Fuse", LCSC Part #=C135338, MRF.Part=ASMD1206-050
L301: LCSC MFG=Sunlord, LCSC Part #=C1015, MRF.Part=GZ2012D101TF, Version="0806 imperial"
Q301: "P-Channel Power MOSFET", LCSC MFG="Vishay Intertech", LCSC Part #=C10487, MRF.Part=SI2301CDS-T1-GE3, Version=SOT23-3
Q302: library part MOSFET-N, "N-Channel MOSFET", LCSC MFG="Changjiang Electronics Tech (CJ)", LCSC Part #=C8545, MRF.Part=2N7002
R301 R302: "Resistor", LCSC MFG="Uniroyal Elec", LCSC Part #=C23186, MRF.Part=0603WAF5101T5E, Version="0603 imperial"
R303 R304 R306 R307: "Resistor", LCSC MFG="Uniroyal Elec", LCSC Part #=C25804, MRF.Part=0603WAF1002T5E, Version="0603 imperial"
R305: "Resistor", LCSC MFG="Uniroyal Elec", LCSC Part #=C25803, MRF.Part=0603WAF1003T5E, Version="0603 imperial"
R308: "Resistor", LCSC MFG="UNI-ROYAL(Uniroyal Elec)", LCSC Part #=C23179, MRF.Part=0603WAF4700T5E, Version="0603 imperial"
S201 S202 S203 S204 S205 S206 S207 S208 S209 S210 S211 S212 S213 S214 S216 S217 S218 S219 S220 S221 S222 S223 S224 S225 S226 S227 S228 S228_1 S229 S230 S231 S232 S233 S234 S235 S236 S237 S238 S239 S240 S241 S241_1 S242 S242_1 S242_2 S243 S243_1 S243_2 S243_3 S244 S245 S246 S247 S248 S249 S250 S251 S252 S253 S254 S256 S256_1 S256_2 S257 S257_1 S258 S258_1 S259 S259_1 S260 S260_1 S261 S261_1 S262 S262_1 S262_2 S263 S263_1 S264 S265 S265_1 S266 S266_1 S269 S271: library part SW-PB, "Switch"
S215 S215_1: library part SW-PB, "TAB"
U301: LCSC MFG=Geehy, LCSC Part #=C915660, MRF.Part=APM32F072CBT6
U304: library part "SOT23 LDO", LCSC MFG="Torex Semicon", LCSC Part #=C5446, MRF.Part=XC6206P332MR

## Free pads (board coordinates)
  round 1.152 hole 1.152 unplated paste+0.148 mask+0.148: ""(-282.194,91.313) ""(-281.94,3.048) ""(-6.477,91.059)
  round 0 hole 1 slot 192 at 0 deg unplated: ""(-139,37.79)

## Via types
v1: diameter 0.6, hole 0.3, Component Side to Bottom Layer, tented both sides, 201 vias
v2: diameter 0.6, hole 0.3, Component Side to Bottom Layer, tented bottom, 25 vias
v3: diameter 1, hole 0.6, Component Side to Bottom Layer, tented both sides, 4 vias

## Nets (pads, with @x,y where several pads share a name; then routed paths per layer and width w, separated by ;. In a path a pad name is that pad's centre, name@x,y a point inside that pad or via, vN(x,y) a via of type N, cw(c..) or ccw(c..) an arc to the next point about the centre after c; other vN are vias at no path point)
BOOT0: C309.1 CON303.1 R304.1 U301.44 | length 40.3
  Component Side w0.203: v1(-55.88,56.769) -55.184,56.173 U301.44@-54.777,55.767 ; v1(-39.116,52.832) -35.615,52.832 ccw(c-35.615,55.357) C309.1@-33.09,55.357 R304.1@-31.693,55.357 cw(c-31.693,54.144) -30.48,54.144 CON303.1@-30.48,46.482
  Bottom Layer w0.203: v1(-55.88,56.769) -54.693,56.769 ccw(c-54.694,56.972) -54.572,56.81 cw(c-52.802,54.483) -52.802,57.406 -41.656,57.406 cw(c-41.656,54.866) -39.116,54.866 v1(-39.116,52.832)
col1: S201.2 S215.2 S215_1.2 S229.1 S243.2 S243_1.2 S243_2.2 S243_3.2 S257.1 S257_1.1 U301.20 | length 171.9
  Component Side w0.203: S257.1@-10.612,4.135 S257.1@-10.612,9.855
  Component Side w0.254: U301.20@-47.742,50.852 -47.602,50.712 ccw(c-45.974,52.34) -45.974,50.038 -34.798,50.038 ccw(c-34.798,51.943) v1(-32.893,51.943) ; S243_3.2@-24.315,28.905 -24.315,28.252 ccw(c-21.844,28.252) -21.844,25.781 -13.112,25.781 ccw(c-13.112,28.321) -10.572,28.321 S243_1.2@-10.572,28.905 ; v1(-23.241,54.356) -15.534,54.356 cw(c-15.534,51.816) -12.994,51.816 S229.1@-12.994,47.955 ; S215_1.2@-19.594,61.285 S215_1.2@-19.594,67.005
  Bottom Layer w0.203: S257_1.1@-8.231,9.855 -8.231,23.145 cw(c-8.191,23.145) S243.2@-8.191,23.185
  Bottom Layer w0.254: v1(-32.893,51.943) cw(c-30.48,51.943) -30.48,54.356 v1(-23.241,54.356) ; S243_2.2@-26.694,23.185 S243_2.2@-26.694,28.905 ; S215.2@-17.213,61.285 -17.213,50.495 ccw(c-14.673,50.495) -14.673,47.955 S229.1@-12.994,47.955 S229.1@-12.994,42.235 -10.731,42.235 cw(c-10.731,39.695) -8.191,39.695 S243.2@-8.191,28.905 S243.2@-8.191,23.185 ; S215.2@-17.213,67.005 -17.213,71.501 cw(c-14.673,71.501) -14.673,74.041 -8.39,74.041 ccw(c-8.39,76.581) -5.85,76.581 S201.2@-5.85,80.335 S201.2@-5.85,86.055 ; S243_1.2@-11.531,24.003 S243.2@-7.62,24.003
  Bottom Layer w3.18: S243_1.2@-10.029,23.185 S243.2@-8.191,23.185 ; S243_1.2@-10.029,28.905 S243.2@-8.191,28.905
col2: S202.2 S216.2 S230.2 S244.1 S258.2 S258_1.1 U301.15 | length 118.4
  Component Side w0.203: U301.15@-49.51,49.085 -49.124,48.699 ccw(c-47.328,50.495) -48.904,48.503 ccw(c-47.581,49.826) -47.581,47.955 S230.2@-45.788,47.955
  Component Side w0.254: S230.2@-45.788,42.235 -45.788,41.16 ccw(c-44.577,41.16) -44.577,39.95 -32.202,39.95 cw(c-32.202,37.41) -29.662,37.41 S244.1@-29.662,28.905
  Bottom Layer w0.254: S230.2@-45.788,42.235 S230.2@-45.788,47.955 -45.788,48.387 cw(c-43.248,48.387) -43.248,50.927 -36.965,50.927 ccw(c-36.965,53.467) -34.425,53.467 S216.2@-34.425,61.285 S216.2@-34.425,67.005 -34.425,77.795 cw(c-31.885,77.795) -31.885,80.335 S202.2@-31.5,80.335 S202.2@-31.5,86.055 ; S258.2@-41.025,4.135 S258.2@-41.025,9.855 ; S258_1.1@-38.643,9.855 -38.643,14.224 cw(c-36.103,14.224) -36.103,16.764 -32.202,16.764 ccw(c-32.202,19.304) -29.662,19.304 S244.1@-29.662,23.185 S244.1@-29.662,28.905
col3: S203.2 S217.2 S231.2 S245.2 S260.2 S260_1.1 U301.14 | length 145.4
  Component Side w0.203: S231.2@-58.237,42.235 cw(c-56.029,42.235) -56.029,44.444 -51.13,44.444 cw(c-51.131,44.241) -50.996,44.393 ccw(c-50.609,44.827) -50.043,44.693 cw(c-49.846,44.644) -49.877,44.845 ccw(c-50.091,46.279) -48.641,46.279 -48.641,46.609 ccw(c-50.813,46.609) -49.277,48.145 U301.14@-49.863,48.731
  Component Side w0.254: S231.2@-58.237,42.235 -58.237,42.056 ccw(c-55.697,42.056) -55.697,39.516 -43.5,39.516 cw(c-43.5,37.79) -43.499,36.064 -46.172,36.064 ccw(c-46.172,33.524) -47.371,35.764 ccw(c-46.172,33.524) -48.712,33.524 S245.2@-48.712,28.905
  Bottom Layer w0.254: S260.2@-64.837,4.135 S260.2@-64.837,9.855 ; S260_1.1@-62.456,9.855 -62.456,14.351 cw(c-59.916,14.351) -59.916,16.891 -51.252,16.891 ccw(c-51.252,19.431) -48.712,19.431 S245.2@-48.712,23.185 S245.2@-48.712,28.905 ; S231.2@-58.237,42.235 S231.2@-58.237,47.955 -59.69,47.955 cw(c-59.69,50.495) -62.23,50.495 -62.23,57.489 cw(c-60.316,57.489) -60.316,59.403 ccw(c-60.075,61.285) -58.238,60.81 ccw(c-60.075,61.285) -58.195,61.032 cw(c-57.943,60.997) -57.988,61.247 cw(c-57.551,58.745) -57.551,61.285 S217.2@-53.475,61.285 S217.2@-53.475,67.005 -53.475,73.66 cw(c-50.935,73.66) -50.935,76.2 -46.49,76.2 ccw(c-46.49,78.74) -43.95,78.74 S203.2@-43.95,80.335 S203.2@-43.95,86.055
col4: S204.2 S218.2 S232.2 S246.2 U301.13 | length 171.3
  Component Side w0.203: S232.2@-77.287,47.955 -77.287,51.877 cw(c-74.747,51.877) -74.747,54.417 -68.042,54.417 cw(c-68.042,51.877) -66.246,53.673 -62.214,49.641 cw(c-64.01,47.845) -61.47,47.845 -61.47,47.339 ccw(c-59.341,47.339) -59.341,45.21 -54.358,45.21 ; -54.61,45.21 -51.13,45.21 ccw(c-51.131,45.413) -51.005,45.254 ccw(c-51.131,45.413) -50.996,45.261 cw(c-50.609,44.827) -50.609,45.408 cw(c-50.609,44.827) -50.224,45.262 ccw(c-50.09,45.415) -50.091,45.212 ccw(c-50.091,46.279) -49.475,45.408 ccw(c-50.091,46.279) -49.024,46.279 -49.024,46.609 ccw(c-50.813,46.609) -49.031,46.763 ccw(c-49.233,46.745) -49.031,46.767 ccw(c-50.407,46.609) -49.427,47.588 ccw(c-49.573,47.446) -49.429,47.59 -49.81,47.971 U301.13@-50.217,48.377
  Component Side w0.254: S232.2@-77.287,42.235 -77.287,41.622 ccw(c-74.747,41.622) -74.747,39.082 -43.5,39.082 cw(c-43.5,37.79) -43.499,36.498 -65.222,36.498 ccw(c-65.222,33.958) -67.762,33.958 S246.2@-67.762,28.905
  Bottom Layer w0.203: S246.2@-67.762,23.185 S246.2@-67.762,28.905 ; S204.2@-63,80.335 S204.2@-63,86.055
  Bottom Layer w0.254: S232.2@-77.287,42.235 S232.2@-77.287,47.955 -77.287,51.581 cw(c-74.747,51.581) -76.777,53.108 cw(c-74.747,51.581) -76.544,53.377 -73.269,56.652 ccw(c-75.065,58.448) -72.525,58.448 S218.2@-72.525,61.285 S218.2@-72.525,67.005 -72.525,73.406 cw(c-69.985,73.406) -69.985,75.946 -65.54,75.946 ccw(c-65.54,78.486) -63,78.486 S204.2@-63,80.335
col5: S205.2 S219.2 S233.2 S247.2 S261.2 S261_1.2 U301.6 | length 275.6
  Component Side w0.203: S261_1.2@-107.699,9.855 -107.699,9.398 ccw(c-105.159,9.398) -105.159,6.858 -98.333,6.858 ccw(c-98.333,9.398) -95.793,9.398 S261.2@-95.793,9.855 ; S233.2@-96.337,47.955 -96.337,52.26 cw(c-93.797,52.26) -93.797,54.8 -68.042,54.8 cw(c-68.042,51.877) -65.975,53.944 -61.944,49.913 cw(c-64.01,47.845) -61.091,47.988 ccw(c-60.888,47.999) -61.09,47.985 -61.088,47.946 cw(c-61.29,47.932) -61.087,47.932 -61.087,47.339 ccw(c-59.341,47.339) -59.341,45.593 -57.785,45.593 ccw(c-57.785,47.679) -56.746,45.87 ccw(c-57.785,47.679) -55.976,46.64 ccw(c-57.785,47.679) -55.699,47.679 -55.699,48.531 ccw(c-55.902,48.53) -55.757,48.672 cw(c-55.342,49.08) -55.342,49.662 -55.261,49.662 U301.6@-54.424,50.499
  Bottom Layer w0.203: S261_1.2@-107.699,4.135 S261_1.2@-107.699,9.855 ; S233.2@-95.827,48.465 S233.2@-96.337,47.955 -95.827,47.955 -94.115,47.955 ccw(c-94.115,50.495) -91.575,50.495 S219.2@-91.575,61.285 S219.2@-91.575,67.005 -84.59,67.005 ccw(c-84.59,69.545) -82.05,69.545 S205.2@-82.05,80.335 S205.2@-82.05,86.055 ; S261.2@-95.793,4.135 S261.2@-95.793,9.855 -95.793,14.224 cw(c-93.253,14.224) -93.253,16.764 -89.352,16.764 ccw(c-89.352,19.304) -86.812,19.304 S247.2@-86.812,23.185 S247.2@-86.812,28.905
  Bottom Layer w0.254: S233.2@-95.827,48.465 -95.827,47.955 -95.827,42.57 ccw(c-93.287,42.57) -93.287,40.03 -43.5,40.03 cw(c-43.5,37.79) -43.5,35.55 -84.272,35.55 ccw(c-84.272,33.01) -86.812,33.01 S247.2@-86.812,28.905